# KiCad board classd-amp.kicad_pcb (continued)
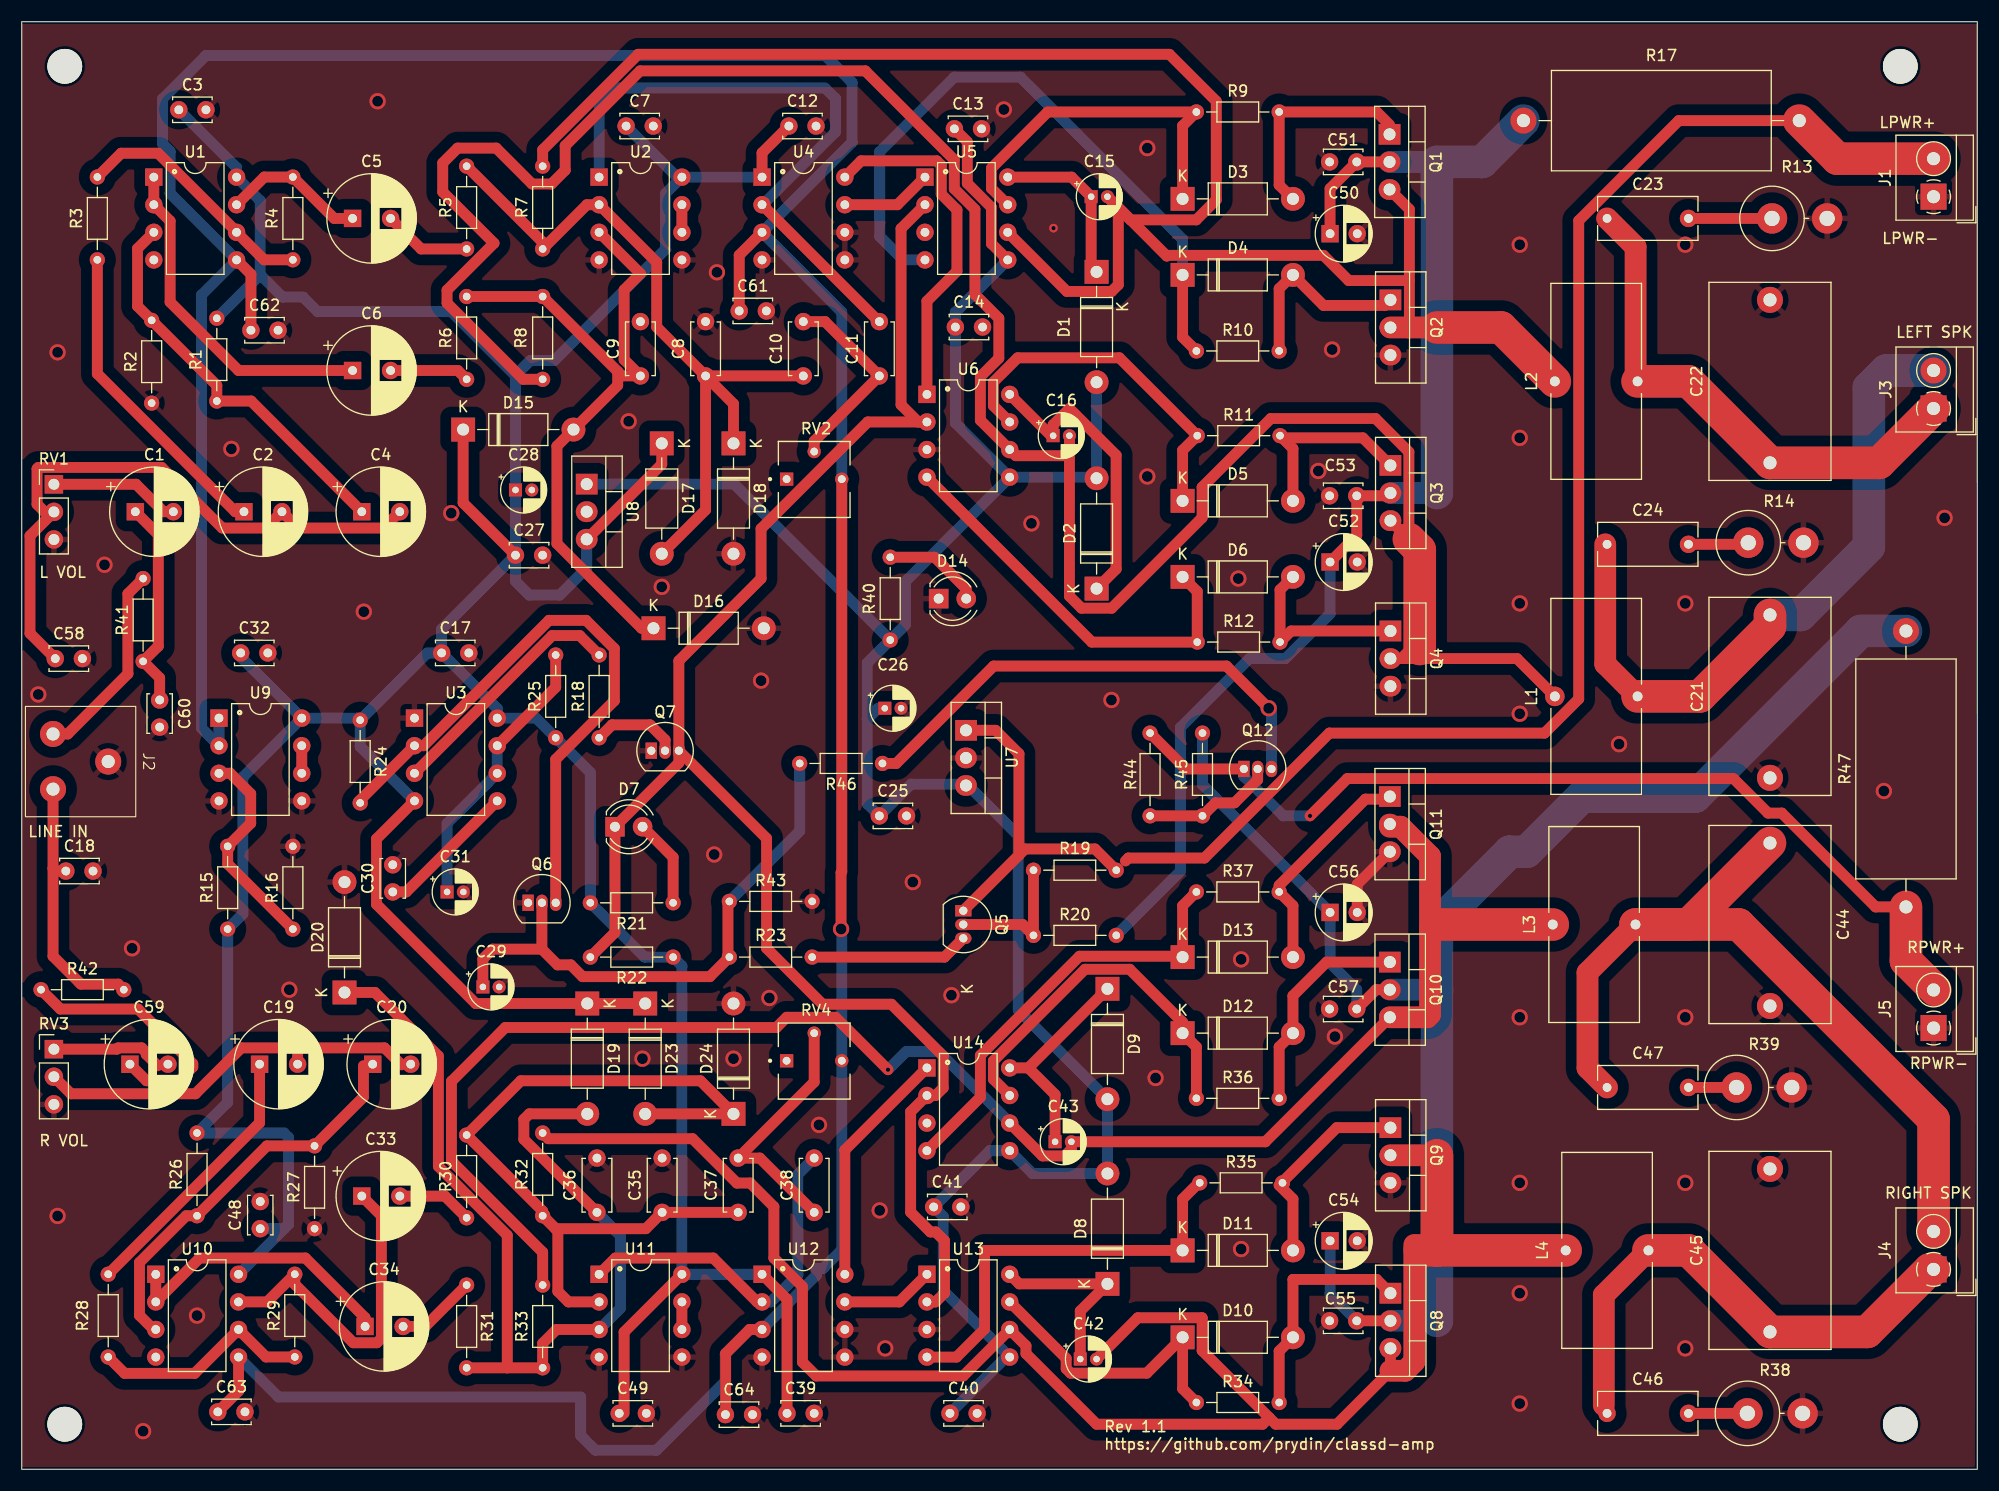
[diagram p0: board, top side]
## Placement (name value [footprint] x y rotation side) (continued)
U10  TL072  [DIP-8_W7.62mm]  12.34 17.95 0 top
U11  TL072  [DIP-8_W7.62mm]  53.16 17.95 0 top
U12  LT1016  [DIP-8_W7.62mm]  68.16 17.95 0 top
U13  IR2184  [DIP-8_W7.62mm]  83.34 17.95 0 top
U14  IR2184  [DIP-8_W7.62mm]  83.34 36.95 0 top

## Library data of the parts
C1-C14 C17-C25 C27 C30 C32-C41 C44-C49 C51 C53 C55 C57-C64 = -: Description: Unpolarized capacitor
C15 C16 C26 C28 C29 C31 C42 C43 C50 C52 C54 C56 = -: Description: Polarized capacitor
D1 D2 D8 D9 = -: Description: Diode; Sim.Device: D; Sim.Pins: 1=K 2=A
D3-D6 D10-D13 D15-D20 D23 D24 = -: Description: Schottky diode
D7 D14 = -: Description: Light emitting diode
J1 J3-J5 = -: Description: Generic screw terminal, single row, 01x02, script generated (kicad-library-utils/schlib/autogen/connector/)
J2 = -: Description: double coaxial connector (BNC, SMA, SMB, SMC, Cinch/RCA, LEMO, ...)
L1-L4 = -: Description: Inductor
Q1-Q4 Q8-Q11 = -: Description: TO-220 N-MOSFET enchancement mode transistor, 100V, 33A, 130W, Alternate KiCAD Library
Q5 Q12 = -: Description: PNP TO-92 transistor, 40V, 200mA, 625mW, Complementary to 2N3904, Alternate KiCAD Library
Q6 Q7 = -: Description: NPN TO-92 transistor, 40V, 200mA, 625mW, Complementary to 2N3906, Alternate KiCAD Library
R1-R47 = -: Description: Resistor
RV1 RV3 = -: Description: Dual potentiometer, separate units
RV2 RV4 = -: Description: Trim-potentiometer
U1 U2 U10 U11 = -: Description: Dual Low-Noise JFET-Input Operational Amplifiers, DIP-8/SOIC-8
U3 = -: Description: Precision Timers, 555 compatible,  PDIP-8
U4 U12 = -: Description: Single UltraFast Precision 10ns Comparator, DIP-8/SOIC-8
U5 U6 U13 U14 = -: Description: Half-Bridge Driver, 600V, 1.4/1.8A, PDIP-8/SOIC-8
U7 = -: Description: Positive 1A 35V Linear Regulator, Fixed Output 12V, TO-220
U8 = -: Description: Positive 1A 35V Linear Regulator, Fixed Output 5V, TO-220
U9 = -: Description: Low-Power, Dual Operational Amplifiers, DIP-8/SOIC-8/TO-99-8; Sim.Device: SUBCKT; Sim.Library: lm358.txt; Sim.Pins: 2=1 3=2 4=5 8=4

## Footprints (pads in the part's own frame, mm; a bottom-side part is the same pattern mirrored in y, then rotated)
C_Disc_D3.4mm_W2.1mm_P2.50mm
  round 1.6 hole 0.8: 1(0,0) 2(2.5,0)
C_Disc_D4.7mm_W2.5mm_P5.00mm
  round 1.6 hole 0.8: 1(0,0) 2(5,0)
C_Rect_L9.0mm_W3.8mm_P7.50mm_MKT
  round 1.6 hole 0.8: 1(0,0) 2(7.5,0)
C_Rect_L18.0mm_W11.0mm_P15.00mm_FKS3_FKP3
  round 2.4 hole 1.2: 1(0,0) 2(15,0)
CP_Radial_D4.0mm_P1.50mm
  rect 1.2x1.2 hole 0.6: 1(0,0)
  round 1.2 hole 0.6: 2(1.5,0)
CP_Radial_D5.0mm_P2.50mm
  rect 1.6x1.6 hole 0.8: 1(0,0)
  round 1.6 hole 0.8: 2(2.5,0)
CP_Radial_D8.0mm_P3.50mm
  rect 1.6x1.6 hole 0.8: 1(0,0)
  round 1.6 hole 0.8: 2(3.5,0)
D_DO-41_SOD81_P10.16mm_Horizontal
  rect 2.2x2.2 hole 1.1: 1(0,0)
  oval 2.2x2.2 hole 1.1: 2(10.16,0)
DIP-8_W7.62mm
  rect 1.6x1.6 hole 0.8: 1(0,0)
  oval 1.6x1.6 hole 0.8: 2(0,-2.54) 3(0,-5.08) 4(0,-7.62) 5(7.62,-7.62) 6(7.62,-5.08) 7(7.62,-2.54) 8(7.62,0)
L_Toroid_Vertical_L17.8mm_W8.1mm_P7.62mm_Bourns_5700
  round 1.8 hole 0.9: 1(0,0) 2(0,-7.62)
LED_D4.0mm
  rect 1.8x1.8 hole 0.9: 1(0,0)
  round 1.8 hole 0.9: 2(2.54,0)
MountingHole_3.2mm_M3
  round 3.2 hole 3.2 unplated: (0,0)
PinHeader_1x03_P2.54mm_Vertical
  rect 1.7x1.7 hole 1: 1(0,0)
  oval 1.7x1.7 hole 1: 2(0,-2.54) 3(0,-5.08)
R_Axial_DIN0204_L3.6mm_D1.6mm_P7.62mm_Horizontal
  round 1.4 hole 0.7: 1(0,0)
  oval 1.4x1.4 hole 0.7: 2(7.62,0)
R_Axial_DIN0614_L14.3mm_D5.7mm_P5.08mm_Vertical
  round 2.8 hole 1.4: 1(0,0)
  oval 2.8x2.8 hole 1.4: 2(5.08,0)
R_Axial_DIN0922_L20.0mm_D9.0mm_P25.40mm_Horizontal
  round 2.4 hole 1.2: 1(0,0)
  oval 2.4x2.4 hole 1.2: 2(25.4,0)
RCA_Stereo_Connector
  round 2.4 hole 1.2: 1(2.54,-5.08) 2(-2.54,-5.08) 3(0,0)
TerminalBlock_4Ucon_1x02_P3.50mm_Horizontal
  rect 2.4x2.4 hole 1.2: 1(0,0)
  round 2.4 hole 1.2: 2(3.5,0)
TO-92_Inline
  rect 1.05x1.5 hole 0.75: 1(0,0)
  oval 1.05x1.5 hole 0.75: 2(1.27,0) 3(2.54,0)
TO-220-3_Vertical
  rect 1.905x2 hole 1.1: 1(0,0)
  oval 1.905x2 hole 1.1: 2(2.54,0) 3(5.08,0)
TRIM_3362P-1-253LF
  rect 1.222x1.222 hole 0.714: 1(-2.54,0)
  round 1.222 hole 0.714: 2(0,2.54) 3(2.54,0)

## Nets
+5V: C3.1 C7.1 C12.1 C17.1 C27.1 C28.1 C32.1 C39.1 C48.1 C49.1 D15.1 D17.1 D19.1 D23.1 R1.2 R15.1 R21.2 R22.1 R24.1 R25.1 R26.2 U1.8 U2.8 U3.4 U3.8 U4.1 U8.3 U9.8 U10.8 U11.8 U12.1
+12V: C13.1 C14.1 C25.1 C26.1 C40.1 C41.1 D1.2 D2.2 D8.2 D9.2 R40.1 U5.5 U6.5 U7.3 U8.1 U13.5 U14.5
GND: C3.2 C7.2 C8.2 C9.2 C12.2 C13.2 C14.2 C17.2 C18.2 C21.2 C22.2 C25.2 C26.2 C27.2 C28.2 C29.2 C30.2 C31.2 C32.2 C35.2 C36.2 C39.2 C40.2 C41.2 C44.2 C45.2 C48.2 C49.2 C50.2 C51.2 C52.2 C53.2 C54.2 C55.2 C56.2 C57.2 C58.2 C60.2 C61.2 C62.2 C63.2 C64.2 D14.1 D16.2 D18.2 D20.2 D24.2 J1.1 J2.3 J5.1 Q2.3 Q4.3 Q6.1 Q7.1 Q9.3 Q11.3 R2.1 R13.2 R14.2 R16.2 R27.1 R38.2 R39.2 R43.2 RV1.3 RV3.3 U1.4 U2.4 U2.5 U3.1 U4.4 U4.5 U4.6 U5.3 U6.3 U7.2 U8.2 U9.4 U9.5 U10.4 U11.4 U11.5 U12.4 U12.5 U12.6 U13.3 U14.3
/Left Channel/LOUT+: C22.1 C23.1 J3.1 L2.2
/Left Channel/LOUT-: C21.1 C24.1 J3.2 L1.2
/Right Channel/ROUT+: C45.1 C46.1 J4.1 L4.2
/Right Channel/ROUT-: C44.1 C47.1 J4.2 L3.2
BIAS: C61.1 C62.1 C63.1 C64.1 RV2.3 RV4.3 U1.5 U4.3 U9.1 U9.2 U10.5 U12.3
LDRIVE+: C50.1 C51.1 C52.1 C53.1 Q1.2 Q3.2 R17.2 R20.2
LIN: J2.2 R41.2
LPWR+: J1.2 Q5.1 R17.1 R19.1 U7.1
RDRIVE+: C54.1 C55.1 C56.1 C57.1 Q8.2 Q10.2 R45.2 R47.2
RIN: C18.1 J2.1 R42.2
RPWR+: J5.2 Q12.1 R44.1 R47.1
~{SHUTDOWN}: D7.1 Q7.3 R22.2 U5.2 U6.2 U13.2 U14.2
Net-(C1-Pad1): C1.1 C60.1 R41.1
Net-(C1-Pad2): C1.2 RV1.1
Net-(C2-Pad1): C2.1 R3.1
Net-(C2-Pad2): C2.2 C4.2 C58.1 RV1.2
Net-(C5-Pad1): C5.1 R4.2 U1.7
Net-(C5-Pad2): C5.2 R5.1
Net-(C6-Pad2): C6.2 R6.1
Net-(C10-Pad2): C10.2 C11.1 RV2.2
Net-(C19-Pad1): C19.1 R28.1
Net-(C19-Pad2): C19.2 C20.2 RV3.2
Net-(C23-Pad2): C23.2 R13.1
Net-(C24-Pad2): C24.2 R14.1
Net-(C33-Pad1): C33.1 R29.2 U10.7
Net-(C33-Pad2): C33.2 R30.1
Net-(C34-Pad2): C34.2 R31.1
Net-(C37-Pad2): C37.2 C38.1 RV4.2
Net-(C46-Pad2): C46.2 R38.1
Net-(C47-Pad2): C47.2 R39.1
Net-(C59-Pad1): C59.1 R42.1
Net-(C59-Pad2): C59.2 RV3.1
Net-(D1-K): C15.1 D1.1 U5.8
Net-(D2-K): C16.1 D2.1 U6.8
Net-(D3-A): D3.2 Q1.1 R9.2
Net-(D3-K): D3.1 R9.1 U5.7
Net-(D4-A): D4.2 Q2.1 R10.2
Net-(D4-K): D4.1 R10.1 U5.4
Net-(D5-A): D5.2 Q3.1 R11.2
Net-(D5-K): D5.1 R11.1 U6.7
Net-(D6-A): D6.2 Q4.1 R12.2
Net-(D6-K): D6.1 R12.1 U6.4
Net-(D7-A): D7.2 R21.1
Net-(D8-K): C42.1 D8.1 U13.8
Net-(D9-K): C43.1 D9.1 U14.8
Net-(D10-A): D10.2 Q8.1 R34.2
Net-(D10-K): D10.1 R34.1 U13.7
Net-(D11-A): D11.2 Q9.1 R35.2
Net-(D11-K): D11.1 R35.1 U13.4
Net-(D12-A): D12.2 Q10.1 R36.2
Net-(D12-K): D12.1 R36.1 U14.7
Net-(D13-A): D13.2 Q11.1 R37.2
Net-(D13-K): D13.1 R37.1 U14.4
Net-(D14-A): D14.2 R40.2
Net-(D15-A): C9.1 D15.2 D16.1 R6.2 R8.1 U2.3
Net-(D17-A): C8.1 C10.1 D17.2 D18.1 R5.2 R7.1 U2.2
Net-(D19-A): C36.1 D19.2 D20.1 R31.2 R33.1 U11.3
Net-(D23-A): C35.1 C37.1 D23.2 D24.1 R30.2 R32.1 U11.2
Net-(Q1-S): C15.2 L2.1 Q1.3 Q2.2 R7.2 U5.6
Net-(Q3-S): C16.2 L1.1 Q3.3 Q4.2 R8.2 U6.6
Net-(Q5-B): Q5.2 R19.2 R20.1
Net-(Q5-C): Q5.3 R23.1
Net-(Q6-B): C29.1 Q6.2 R23.2 R43.1 R46.2
Net-(Q6-C): Q6.3 R24.2 U3.2
Net-(Q7-B): Q7.2 R18.1
Net-(Q8-S): C42.2 L4.1 Q8.3 Q9.2 R32.2 U13.6
Net-(Q10-S): C43.2 L3.1 Q10.3 Q11.2 R33.2 U14.6
Net-(Q12-B): Q12.2 R44.2 R45.1
Net-(Q12-C): Q12.3 R46.1
Net-(U1A-+): C4.1 R1.1 R2.2 U1.3
Net-(U1A--): C6.1 U1.1 U1.2
Net-(U1B--): R3.2 R4.1 U1.6
Net-(U2B--): U2.6 U2.7
Net-(U3-CV): C30.1 U3.5
Net-(U3-DIS): C31.1 R25.2 U3.6 U3.7
Net-(U3-Q): R18.2 U3.3
Net-(U4-+): C11.2 U2.1 U4.2
Net-(U4-Q): U4.7 U5.1
Net-(U4-~{Q}): U4.8 U6.1
Net-(U9A-+): R15.2 R16.1 U9.3
Net-(U9B--): U9.6 U9.7
Net-(U10A-+): C20.1 R26.1 R27.2 U10.3
Net-(U10A--): C34.1 U10.1 U10.2
Net-(U10B--): R28.2 R29.1 U10.6
Net-(U11B--): U11.6 U11.7
Net-(U12-+): C38.2 U11.1 U12.2
Net-(U12-Q): U12.7 U13.1
Net-(U12-~{Q}): U12.8 U14.1

Pads without a net: RV2 1; RV4 1

## Via types
v1: diameter 1.5, hole 1, Top to Bottom, 55 vias
v2: diameter 0.8, hole 0.4, Top to Bottom, 3 vias

## Routing (per net, layer and track width the routed paths; a pad name or vN(x,y) marks a point on that pad's centre or on a via; arc(x,y) is an arc through that point)
+5V: length 411.2
  Top w1: C12.1 68.16,121.18 U4.1 ; D23.1 41.79,42.88 32.66,52.01 32.66,58.03 U3.4 ; D17.1 58.93,92.52 U8.3 ; U11.8 55.46,12.63 55.46,5.15 ; D15.1 40.64,88.97 C27.1 ; U12.1 70.46,15.65 C39.1
  Bottom w1: 45.46,100.65 39.55,106.56 27.25,106.56 25.91,107.9 24.02,107.9 21.96,109.96 ; 45.46,100.65 45.46,100.71 46.82,102.06 49.02,102.06 59.28,112.32 59.28,117.45 U2.8 ; 45.46,100.65 C28.1 C27.1 ; U9.8 20.36,63.73 20.36,51.13 R15.1 18.96,33.78 R26.2 24.15,30.96 24.56,30.55 24.56,22.54 ; U9.8 30.97,69.15 R24.1 ; U9.8 20.16,74.77 C32.1 ; 21.96,109.96 R1.2 ; 21.96,109.96 21.96,116.77 U1.8 19.78,119.83 C3.1 ; U12.1 U11.8 60.78,46.34 R22.1 57.35,47.15 R21.2 52.35,64.15 R25.1 47.35,69.15 U3.8 43.78,70.03 C17.1 ; C17.1 38.66,77.35 C27.1 ; C17.1 37.35,75.15 R24.1 ; C27.1 45.46,81.74 46.74,80.47 49.53,80.47 52.02,82.96 U8.3 ; C7.1 60.35,118.95 U2.8 ; 24.56,22.54 U10.8 ; 24.56,22.54 24.16,22.15 C48.1 ; U3.4 31.16,66.53 R24.1 ; U2.8 U4.1
+12V: length 221.9
  Top w1: U5.5 89.28,112.83 89.28,116.16 87.06,118.38 87.06,122.21 C13.1
  Bottom w1: R40.1 81.36,77.74 81.36,81.73 U6.5 ; R40.1 77.85,74.22 77.85,69.04 ; R40.1 65.61,90.69 U8.1 ; 77.85,69.04 77.85,61.26 C25.1 81.88,63.07 87.02,63.07 91.75,58.33 91.75,42.28 D9.2 D8.2 93.06,27.23 U14.5 89.14,29.33 C41.1 84.84,23.27 84.84,16.45 U13.5 90.64,10.33 C40.1 ; 77.85,69.04 78.86,70.06 C26.1 ; U6.5 85.96,96.33 C14.1 85.96,106.51 U5.5 ; U6.5 98.86,91.33 D2.2 D1.2
GND: length 6.9
  Top w1: 120.46,120.3 C51.2 ; C56.2 122.96,53.85 Q11.3
  vias: v1(1.52,71.33) v1(3.3,102.82) v1(3.3,23.32) v1(7.62,83.26) v1(10.16,47.96) v1(11.18,3.51) v1(16.14,14.15) v1(19.3,93.93) v1(24.64,44.15) v1(31.5,78.95) v1(32.77,125.94) v1(39.55,88.02) v1(55.88,96.47) v1(57.15,37.8) v1(58.93,81.23) v1(63.75,56.59) v1(64.01,110.19) v1(65.53,37.8) v1(68.07,72.6) v1(68.83,43.39) v1(73.41,31.7) v1(78.99,23.83) v1(79.5,11.13) v1(82.04,54.05) v1(85.6,43.64) v1(90.42,125.17) v1(92.96,87.07) v1(100.33,70.82) v1(103.63,121.62) v1(103.63,91.39) v1(104.39,36.02) v1(112.01,81.99) v1(112.27,46.94) v1(112.27,20.27) v1(119.38,91.9) v1(120.65,103.08) v1(120.9,39.83) v1(137.92,112.73) v1(137.92,94.95) v1(137.92,79.71) v1(137.92,69.55) v1(137.92,41.61) v1(137.92,26.37) v1(137.92,16.21) v1(137.92,6.05) v1(147.07,66.75) v1(153.16,112.73) v1(153.16,79.71) v1(153.16,41.61) v1(153.16,26.37) v1(153.16,11.13) v1(171.45,62.44) v1(177.04,87.58) v2(95,114.25)
/Left Channel/LOUT+: length 48.6
  Top w2: L2.2 148.59,100.33 148.59,112.52 C23.1
  Top w3: J3.1 171.02,92.65 C22.1 153.46,100.15 L2.2
/Left Channel/LOUT-: length 64.1
  Top w2: L1.2 145.8,74.12 145.8,85.15
  Top w3: L1.2 154.51,71.15 160.96,77.6 C21.1
  Bottom w3: J3.2 171.66,101.15 170.06,99.55 170.06,84.92 163.79,78.65 C21.1
/Right Channel/ROUT+: length 47.7
  Top w2: 145.66,5.89 145.66,16.04 L4.2
  Top w3: L4.2 153.46,20.15 C45.1 169.92,12.65 175.67,18.4 J4.1
/Right Channel/ROUT-: length 78.2
  Top w2: L3.2 144.16,45.73 144.16,36.95 C47.1
  Top w3: C44.1 153.46,50.15 L3.2 158.08,50.15 176.02,32.21 J4.2
BIAS: length 348.3
  Top w1: U1.5 21.1,110.01 C62.1 ; RV2.3 75.5,55.01 75.44,54.94 v1(75.44,49.74) ; U10.5 19.96,7.19 C63.1 ; U4.3 66.06,111.77 66.06,106.89 ; U12.3 67.02,12.87 64.81,10.66 64.81,5.05 C64.1
  Bottom w1: U10.5 23.64,6.65 51.46,6.65 51.46,3.1 52.81,1.75 58.44,1.75 64.77,8.08 64.77,10.62 67.02,12.87 U12.3 73.15,17.86 73.15,18.49 73.79,18.49 75.5,20.21 RV4.3 75.5,49.67 v1(75.44,49.74) ; U9.1 U9.2 16.56,68.21 16.56,108.11 U1.5 13.66,117.45 13.66,121.32 12.96,122.02 12.96,126.15 16.96,130.15 73.96,130.15 76.45,127.66 76.45,122.16 U4.3 75.5,106.53 RV2.3
LDRIVE+: length 114.1
  Top w1: Q3.2 125.76,89.61 C53.1 122.92,85.97 C52.1 ; C50.1 120.46,117.89 C51.1 Q1.2
  Bottom w1: C52.1 120.46,78.76 116.33,74.63 113.03,74.63 106.68,68.28 106.68,55.06 R20.2
  Bottom w2: Q1.2 130.3,120.35 ; Q3.2 130.3,89.87
  Bottom w3: R17.2 134.46,120.35 130.3,120.35 130.3,89.87
LIN: length 18.5
  Top w1: J2.2 4.24,67.69 9.78,73.23 9.78,80.59 R41.2
LPWR+: length 162.2
  Top w1: 101.62,56 101.89,56.27 108.9,56.27 120.4,67.77 140.21,67.77 143.35,70.91 143.35,114.94 152.56,124.15 R17.1 ; U7.1 89.66,68.02 91.82,65.87 91.82,56.54 ; 91.82,56.54 Q5.1 ; 91.82,56.54 92.38,57.1 98.82,57.1 R19.1
  Top w3: R17.1 167.16,120.65 J1.2
RDRIVE+: length 146
  Top w1: C55.1 Q8.2 ; Q10.2 124.69,44.15 C57.1
  Bottom w1: R45.2 108.71,63.01 C56.1 120.46,46.6 122.92,44.15 C57.1 ; C54.1 120.46,16.12 C55.1
  Bottom w2: Q8.2 130.3,13.67 ; 130.3,44.15 Q10.2
  Bottom w3: R47.2 169.33,77.17 154.09,61.93 143.64,61.93 138.56,56.85 137,56.85 130.3,50.15 130.3,13.67
RIN: length 24.5
  Top w1: R42.2 8.89,44.66 5.45,44.66 2.88,47.23 2.88,55.32 ; 2.88,55.32 3.14,55.07 C18.1 ; 2.88,55.32 J2.1
RPWR+: length 88.2
  Top w1: R47.1 170.69,51.77 162.05,60.4 160.78,60.4 157.61,63.58 122.05,63.58 v2(118.62,60.15) ; R44.1 107.19,64.47 Q12.1
  Top w3: 176.18,44.12 173.48,46.81 R47.1
  Bottom w1: v2(118.62,60.15) 116.15,60.15 112.52,63.78 Q12.1
~{SHUTDOWN}: length 156.6
  Top w1: U13.2 84.14,15.41 84.96,16.23 84.96,21.03 84.15,21.85 83.66,21.85 81.84,23.67 81.84,32.91 U14.2 84.14,34.41 84.84,35.11 84.84,38.04 80.07,42.81 73.73,42.81 68.58,47.96 68.58,58.07 Q7.3 ; Q7.3 60.5,74.42 68.07,81.99 68.07,86.59 77.89,96.41 U6.2 82.54,96.41 80.96,97.99 80.96,114.21 U5.2 ; Q7.3 60.5,65.03 D7.1 54.62,49.42 R22.2
Net-(C1-Pad1): length 19.4
  Top w1: C60.1 12.7,72.85 R41.1 12.58,75.77 12.58,86.03 C1.1
Net-(C1-Pad2): length 12
  Top w1: RV1.1 10.53,90.67 13.05,88.15 C1.2
Net-(C2-Pad1): length 29.3
  Top w1: R3.1 6.96,100.85 19.66,88.15 C2.1
Net-(C2-Pad2): length 58.1
  Top w1: C4.2 33.31,86.65 25.46,86.65 C2.2 22.46,86.65 18.46,86.65 12.89,92.22 1.54,92.22 1.41,92.1 1.41,88.83 2.11,88.13 RV1.2 0.76,85.93 0.76,76.95 C58.1
Net-(C5-Pad1): length 13.3
  Top w1: C5.1 28.77,115.15 R4.2 22.33,118.96 U1.7
Net-(C5-Pad2): length 8.2
  Top w1: C5.2 36.77,112.34 R5.1
Net-(C6-Pad2): length 7.3
  Top w1: C6.2 40.15,101.15 R6.1
Net-(C10-Pad2): length 18.5
  Top w1: C10.2 73.96,105.65 C11.1 72.96,94.65 RV2.2
Net-(C19-Pad1): length 25.1
  Top w1: C19.1 21.9,31.9 R28.1
Net-(C19-Pad2): length 36.5
  Top w1: 25.4,38.79 20.22,38.79 15.99,34.57 4.53,34.57 RV3.2 ; 25.4,38.79 33.4,38.79 34.96,37.23 ; 25.4,38.79 C19.2
Net-(C23-Pad2): length 7.7
  Top w1: R13.1 C23.2
Net-(C24-Pad2): length 5.9
  Top w1: C24.2 157.96,85.15 158.96,86.15
Net-(C33-Pad1): length 31.4
  Top w1: U10.7 22.59,15.41 R29.2 25.14,17.03 30.52,11.65 32.7,11.65 33.11,12.06 33.11,23.34 C33.1
Net-(C33-Pad2): length 7
  Top w1: C33.2 38.96,25.15 R30.1
Net-(C34-Pad2): length 7.4
  Top w1: C34.2 37.15,13.15 R31.1
Net-(C37-Pad2): length 23.5
  Top w1: RV4.2 72.96,35.65 C37.2 67.96,28.65 C38.1
Net-(C46-Pad2): length 5.4
  Top w1: C46.2 R38.1
Net-(C47-Pad2): length 4.4
  Top w1: C47.2 R39.1
Net-(C59-Pad1): length 24
  Top w1: C59.1 11.49,35.77 14.48,35.77 15.75,37.04 15.75,37.33 10.71,42.37 3.56,42.37 R42.1
Net-(C59-Pad2): length 10.4
  Top w1: RV3.1 8.76,38.67 8.87,38.79 11.05,38.79 11.46,38.38 11.46,38.2 12.52,37.15
Net-(D1-K): length 15.6
  Top w1: D1.1 98.46,110.73 C15.1 96.66,118.95 U5.8
Net-(D2-K): length 27.8
  Top w1: D2.1 100.76,82.87 100.76,93.35 96.46,97.65 94.96,96.15 C16.1 94.76,95.15 U6.8
Net-(D3-A): length 19.2
  Top w1: 125.94,123.77 124.76,124.95 R9.2 115.77,118.22 D3.2
Net-(D3-K): length 33.5
  Top w1: U5.7 89.28,117.91 89.28,119.77 94.46,124.95 R9.1 106.88,123.68 D3.1
Net-(D4-A): length 17.9
  Top w1: R10.2 115.77,108.68 D4.2 119.85,107.14 125.51,107.14 Q2.1
Net-(D4-K): length 60.6
  Top w1: D4.1 106.88,104.22 R10.1
  Bottom w1: D4.1 106.88,113.23 91.96,128.15 85.86,128.15 78.99,121.28 78.99,113.49 81.16,111.33 U5.4
Net-(D5-A): length 17.8
  Top w1: D5.2 117.04,93.96 R11.2 116.05,94.95 123.48,94.95 Q3.1
Net-(D5-K): length 33.5
  Top w1: U6.7 89.46,97.91 89.46,100.08 91.69,102.31 101.07,102.31 R11.1 106.88,93.8 D5.1
Net-(D6-A): length 17.1
  Top w1: D6.2 115.85,80.96 R12.2 116.87,77.17 Q4.1
Net-(D6-K): length 37.7
  Top w1: D6.1 108.23,80.8 R12.1 98.52,76.15 U6.4
Net-(D7-A): length 8.2
  Top w1: R21.1 59.97,56.34 D7.2
Net-(D8-K): length 17.3
  Top w1: U13.8 91.84,17.07 D8.1 97.46,14.57 C42.1
Net-(D9-K): length 19.8
  Top w1: 92.68,36.95 D9.1 ; 92.68,36.95 U14.8 ; 92.68,36.95 95.14,34.49 C43.1
Net-(D10-A): length 21.4
  Top w1: Q8.1 124.75,17.48 117.04,17.48 D10.2 115.77,10.88 R34.2
Net-(D10-K): length 27.1
  Top w1: U13.7 96.16,10.21 96.16,9.26 96.57,8.85 103.58,8.85 D10.1 106.88,7.42 R34.1
Net-(D11-A): length 19
  Top w1: Q9.1 121.07,31.45 115.77,26.15 117.04,24.88 D11.2
Net-(D11-K): length 38.4
  Top w1: U13.4 86.07,10.33 88.65,12.91 88.65,20.15 D11.1 106.88,24.88 108.15,26.15
Net-(D12-A): length 20.2
  Top w1: R36.2 115.77,38.88 D12.2 117.04,43.59 120.14,46.69 Q10.1
Net-(D12-K): length 34.3
  Top w1: R36.1 108.15,38.88 D12.1 106.88,41.15 102.01,46.03 97.89,46.03 89.46,37.6 89.46,35.91 U14.7
Net-(D13-A): length 20.6
  Top w1: D13.2 117.04,51.88 R37.2 115.77,53.75 123.71,61.69 125.96,61.69
Net-(D13-K): length 39.8
  Top w1: U14.4 88.26,34.25 88.26,38.1 97.39,47.23 106.8,47.23 D13.1 106.88,51.88 R37.1
Net-(D14-A): length 9.1
  Top w1: R40.2 84.05,83.96 86.96,81.04 D14.2
Net-(D15-A): length 65.3
  Top w1: R6.2 R8.1 54.87,101.05 ; 54.87,101.05 54.87,99.78 D15.2 49.28,94.19 49.28,85.21 57.07,77.42 D16.1 ; 54.87,101.05 55.27,100.65 C9.1 55.46,102.15 55.46,108.57 56.96,110.07 U2.3
Net-(D17-A): length 71.3
  Top w1: C8.1 62.96,88.31 D17.2 ; C8.1 65.53,98.08 65.53,94.69 ; C8.1 C10.1 ; C8.1 58.46,105.15 58.46,111.11 U2.2 52.03,116.41 R7.1 47.96,112.96 R5.2
Net-(D19-A): length 87.3
  Top w1: C36.1 46.23,30.38 46.23,32.21 46.74,32.72 D19.2 ; 44.7,9.34 R33.1 47.96,11.59 49.24,12.87 U11.3 ; 44.7,9.34 R31.2 ; 44.7,9.34 44.7,21.54 38.36,27.88 38.36,38.04 32.51,43.89 D20.1
  Bottom w1: C36.1 55.12,21.49 55.12,14.82 U11.3
Net-(D23-A): length 77.2
  Top w1: D23.2 D24.1 62.48,35.77 45.96,35.77 R30.2 47.96,23.77 R32.1 ; R32.1 49.15,22.15 57.46,22.15 C35.1 C37.1 ; R32.1 49.36,21.94 49.36,16.38 50.33,15.41 U11.2
Net-(Q1-S): length 172.6
  Top w1: R7.2 47.96,121.46 56.76,130.25 105.66,130.25 109.98,125.94 109.98,116.86 108.14,115.01 102.1,115.01 C15.2 ; C15.2 100.96,116.15 100.96,109.04 100.35,108.43 96.22,108.43 U5.6 ; C15.2 105.43,111.68 105.49,111.75 119.85,111.75 122.17,109.43 127.76,109.43 ; 127.76,105.11 127.76,115.98 Q1.3
  Top w2: 130.3,105.11 Q2.2
  Top w3: L2.1 136.19,105.11 130.3,105.11
Net-(Q3-S): length 220.1
  Top w1: 127.72,75.33 127.01,74.63 Q4.2 137.67,74.63 L1.1 ; Q3.3 127.72,85.63 127.72,93.65 124.64,96.73 115,96.73 108.68,90.41 108.68,87.6 100.35,79.27 97.57,79.27 96.46,80.38 C16.2 96.46,93.65 96.12,93.31 91.52,93.31 U6.6 88.26,96.57 88.26,100.58 89.96,102.28 89.96,105.95 87.76,108.15 87.76,115.98 85.86,117.88 85.86,120.54 77.67,128.73 56.93,128.73 50.04,121.84 50.04,119.59 48.77,118.32 46.99,118.32 43.69,121.62 40.13,121.62 38.76,120.25 38.76,117.59 43.48,112.87 39.16,108.55 39.16,107.35 46.17,100.34 R8.2
  Top w3: 128.72,75.51 128.72,84.63 127.72,85.63
Net-(Q5-B): length 12.9
  Top w1: Q5.2 92.15,50.15 R20.1 R19.2
Net-(Q5-C): length 14.6
  Top w1: R23.1 84.96,47.15 Q5.3
Net-(Q6-B): length 52.4
  Top w1: Q6.2 47.89,47.88 ; 47.89,47.88 49.34,46.43 50.55,46.43 51.64,45.35 63.35,45.35 R23.2 65.02,47.28 65.02,52.28 R43.1 ; 47.89,47.88 43.35,47.88 42.46,46.98 C29.1
  Bottom w1: R43.1 71.63,58.75 R46.2
Net-(Q6-C): length 57.2
  Top w1: Q6.3 49.16,65.35 54.56,70.75 54.56,75.55 51.96,78.15 48.54,78.15 37,66.61 U3.2 31.16,61.61 R24.2
Net-(Q7-B): length 8.1
  Top w1: R18.1 54.36,68.53 57.84,68.53 59.23,67.14 Q7.2
Net-(Q8-S): length 167.4
  Top w1: Q8.3 126.02,9.07 121.1,4.15 115.46,4.15 114.86,4.75 ; R32.2 48.49,30.43 61.76,30.43 65.84,26.35 67.07,26.35 69.25,24.17 69.25,19.45 71.88,16.82 71.88,9.86 73.15,8.59 86.68,8.59 U13.6 92.46,11.37 92.46,10.65 98.96,4.15 114.25,4.15 114.86,4.75 ; C42.2 102.76,13.95 108.66,13.95 108.68,13.93 108.68,10.93 114.86,4.75
  Top w2: 126.02,9.07 127.38,9.07 128.22,9.9 128.22,20.65 ; Q9.2 130.3,28.91
  Top w3: L4.1 130.3,20.15 ; 130.3,20.15 128.72,20.15 ; 130.3,20.15 130.3,28.91
Net-(Q10-S): length 158.2
  Top w1: R33.2 47.96,19.98 39.56,28.38 39.56,35.7 44.52,40.67 69.49,40.67 70.43,41.61 74.93,41.61 v2(79.76,36.78) ; Q10.3 114.5,30.15 C43.2 96.64,29.46 96.03,28.85 93.98,28.85 U14.6
  Top w2: Q10.3 129.41,41.61 129.66,41.86 129.66,49.65 ; 125.96,59.15 126.96,59.15 129.66,56.44 129.66,49.65 ; 129.66,49.65 130.16,50.15
  Top w3: L3.1 130.16,50.15
  Bottom w1: U14.6 90.96,31.92 84.43,38.45 81.42,38.45 v2(79.76,36.78)
Net-(Q12-B): length 12.3
  Top w1: Q12.2 113.79,63.47 111.67,61.35 109.91,61.35 R45.1 R44.2
Net-(Q12-C): length 46.6
  Top w1: v1(114.81,70.06) 110.92,73.94 89.48,73.94 80.52,64.98 R46.1
  Bottom w1: Q12.3 115.06,69.8 v1(114.81,70.06)
Net-(U1A-+): length 36.7
  Top w1: C4.1 21.12,98.34 R1.1 17.96,99.77 R2.2 10.66,107.07 10.66,112.37 U1.3
Net-(U1A--): length 31.5
  Top w1: C6.1 19.96,101.15 13.66,107.45 13.66,114.91 U1.2 U1.1
Net-(U1B--): length 23
  Top w1: R4.1 22.31,111.34 U1.6 19.78,113.92 12.55,121.15 9.15,121.15 R3.2
Net-(U2B--): length 2.5
  Top w1: U2.7 U2.6
Net-(U3-CV): length 13.1
  Top w1: U3.5 35.4,53.15 C30.1
Net-(U3-DIS): length 26
  Top w1: R25.2 49.16,71.99 U3.7
  Bottom w1: U3.7 U3.6 39.16,59.45 C31.1
Net-(U3-Q): length 23
  Top w1: U3.3 48.84,76.75 51.37,76.75 R18.2
Net-(U4-+): length 57.4
  Top w1: C11.2 78.92,105.65 U4.2
  Bottom w1: U4.2 68.22,116.41 74.93,123.12 74.93,126.18 73.96,127.15 54.66,127.15 53.16,125.65 U2.1
Net-(U4-Q): length 8.4
  Top w1: U5.1 80.62,116.41 U4.7
Net-(U4-~{Q}): length 32.5
  Top w1: U6.1 83.34,107.53 86.11,110.29 86.11,115.94 84.66,117.38 84.66,120.04 84.25,120.45 77.28,120.45 U4.8
Net-(U9A-+): length 19.5
  Top w1: U9.3 19.2,64.07 21.08,62.18 21.08,59.47 R15.2 18.96,55.73 R16.1
Net-(U9B--): length 2.5
  Top w1: U9.7 U9.6
Net-(U10A-+): length 36.7
  Top w1: 31.46,37.15 31.46,34.27 R27.2 22.57,29.77 R26.1 15.14,23.34 10.84,19.04 10.84,14.17 12.14,12.87 U10.3
Net-(U10A--): length 26.6
  Top w1: C34.1 31.61,13.95 26.11,19.45 16.38,19.45 U10.2 U10.1
Net-(U10B--): length 20.5
  Top w1: R29.1 22.49,10.34 U10.6 15.92,8.83 9.47,8.83 R28.2
Net-(U11B--): length 2.5
  Top w1: U11.7 U11.6
Net-(U12-+): length 33
  Top w1: U12.2 67.7,15.41 63.66,19.45 54.66,19.45 U11.1
  Bottom w1: C38.2 71.46,27.15 71.46,17.91 68.96,15.41 U12.2
Net-(U12-Q): length 8.6
  Top w1: U12.7 80.8,15.41 U13.1
Net-(U12-~{Q}): length 22.1
  Top w1: U14.1 75.78,29.39 U12.8

## Copper pours and planes (outline as drawn; the poured copper is in the pictures)
GND on Top: 0,133.05 180.09,133.05 179.83,0.21 -0.25,0.21
GND on Bottom: -0.04,133.15 180.01,133.15 180.01,0.15 -0.04,0.15

## Text on the board
F.Silkscreen: LINE IN | L VOL | R VOL | Rev 1.1 / https://github.com/prydin/classd-amp | LPWR+ | LPWR- | RIGHT SPK | LEFT SPK | RPWR+ | RPWR-
